# KiCad board LED_Addrs.kicad_pcb
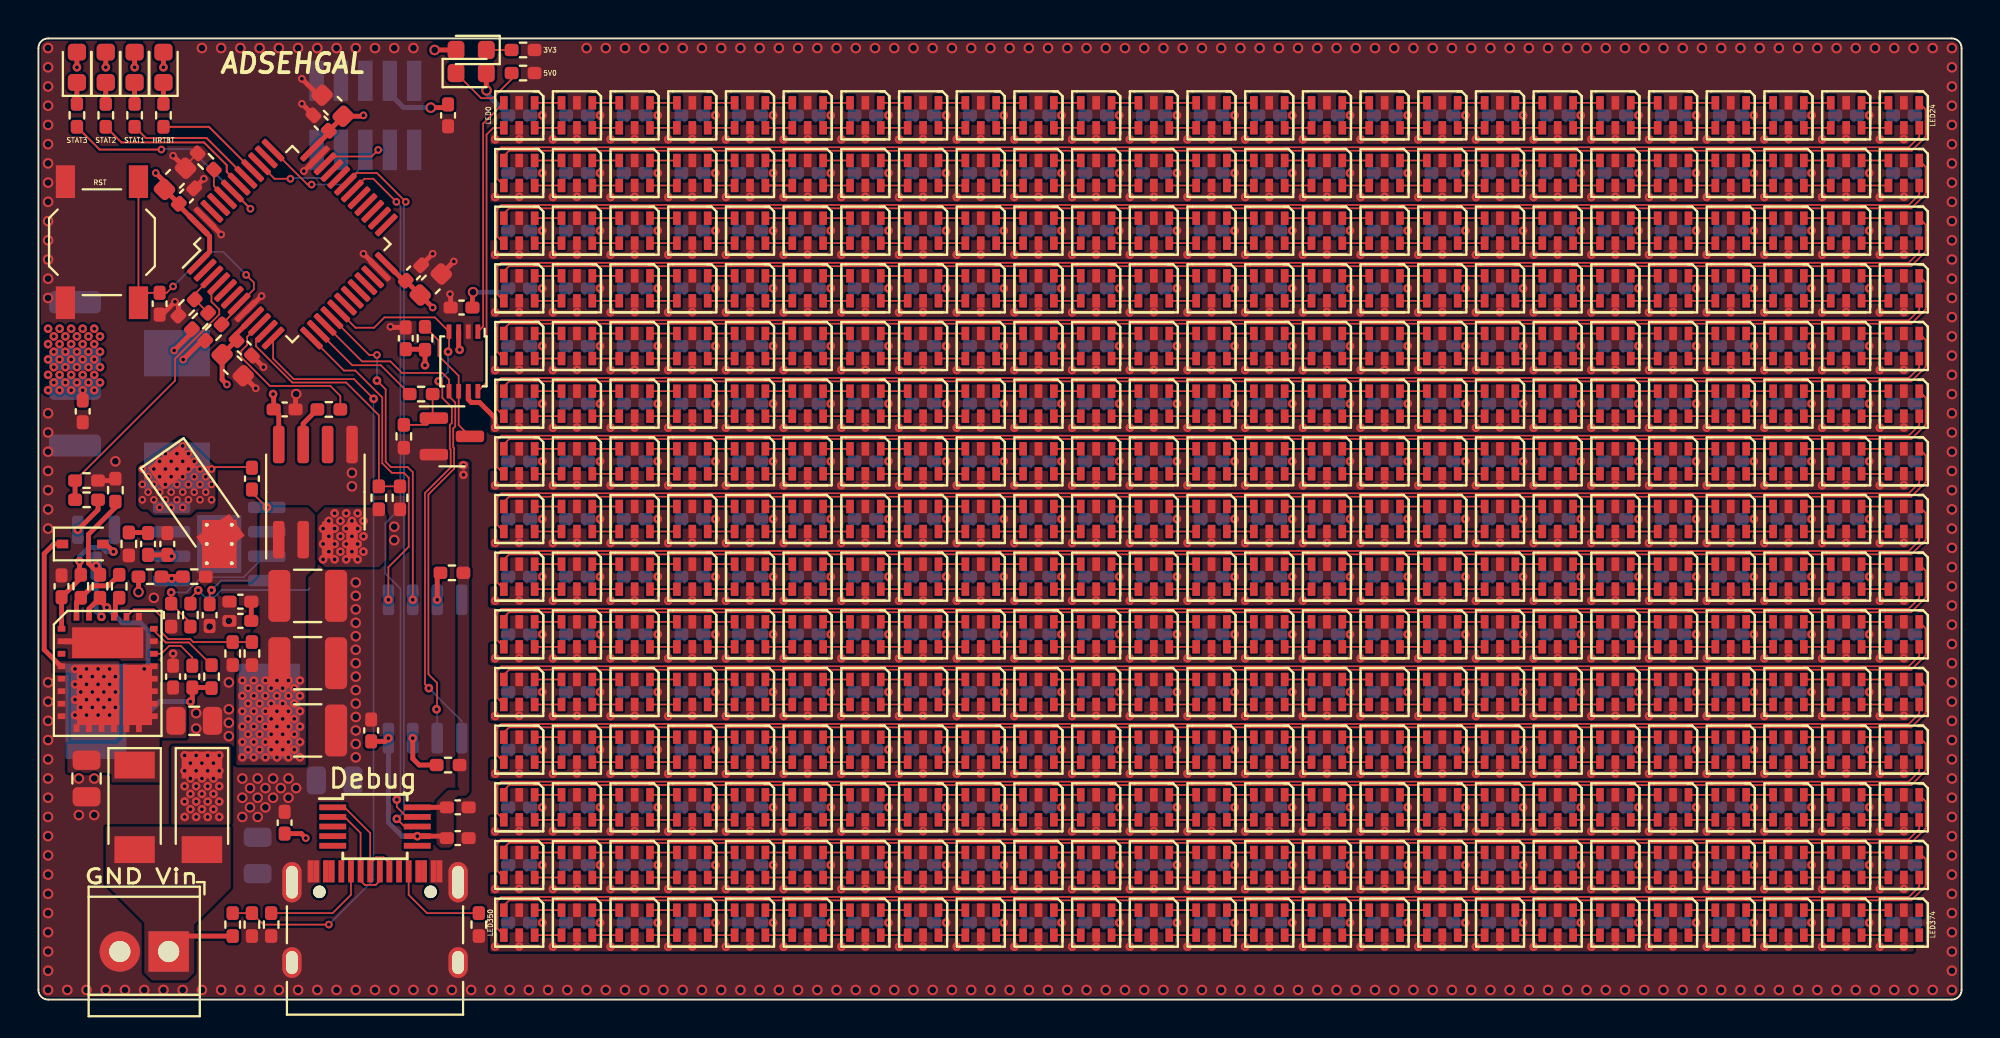
[diagram p0: board, top side]
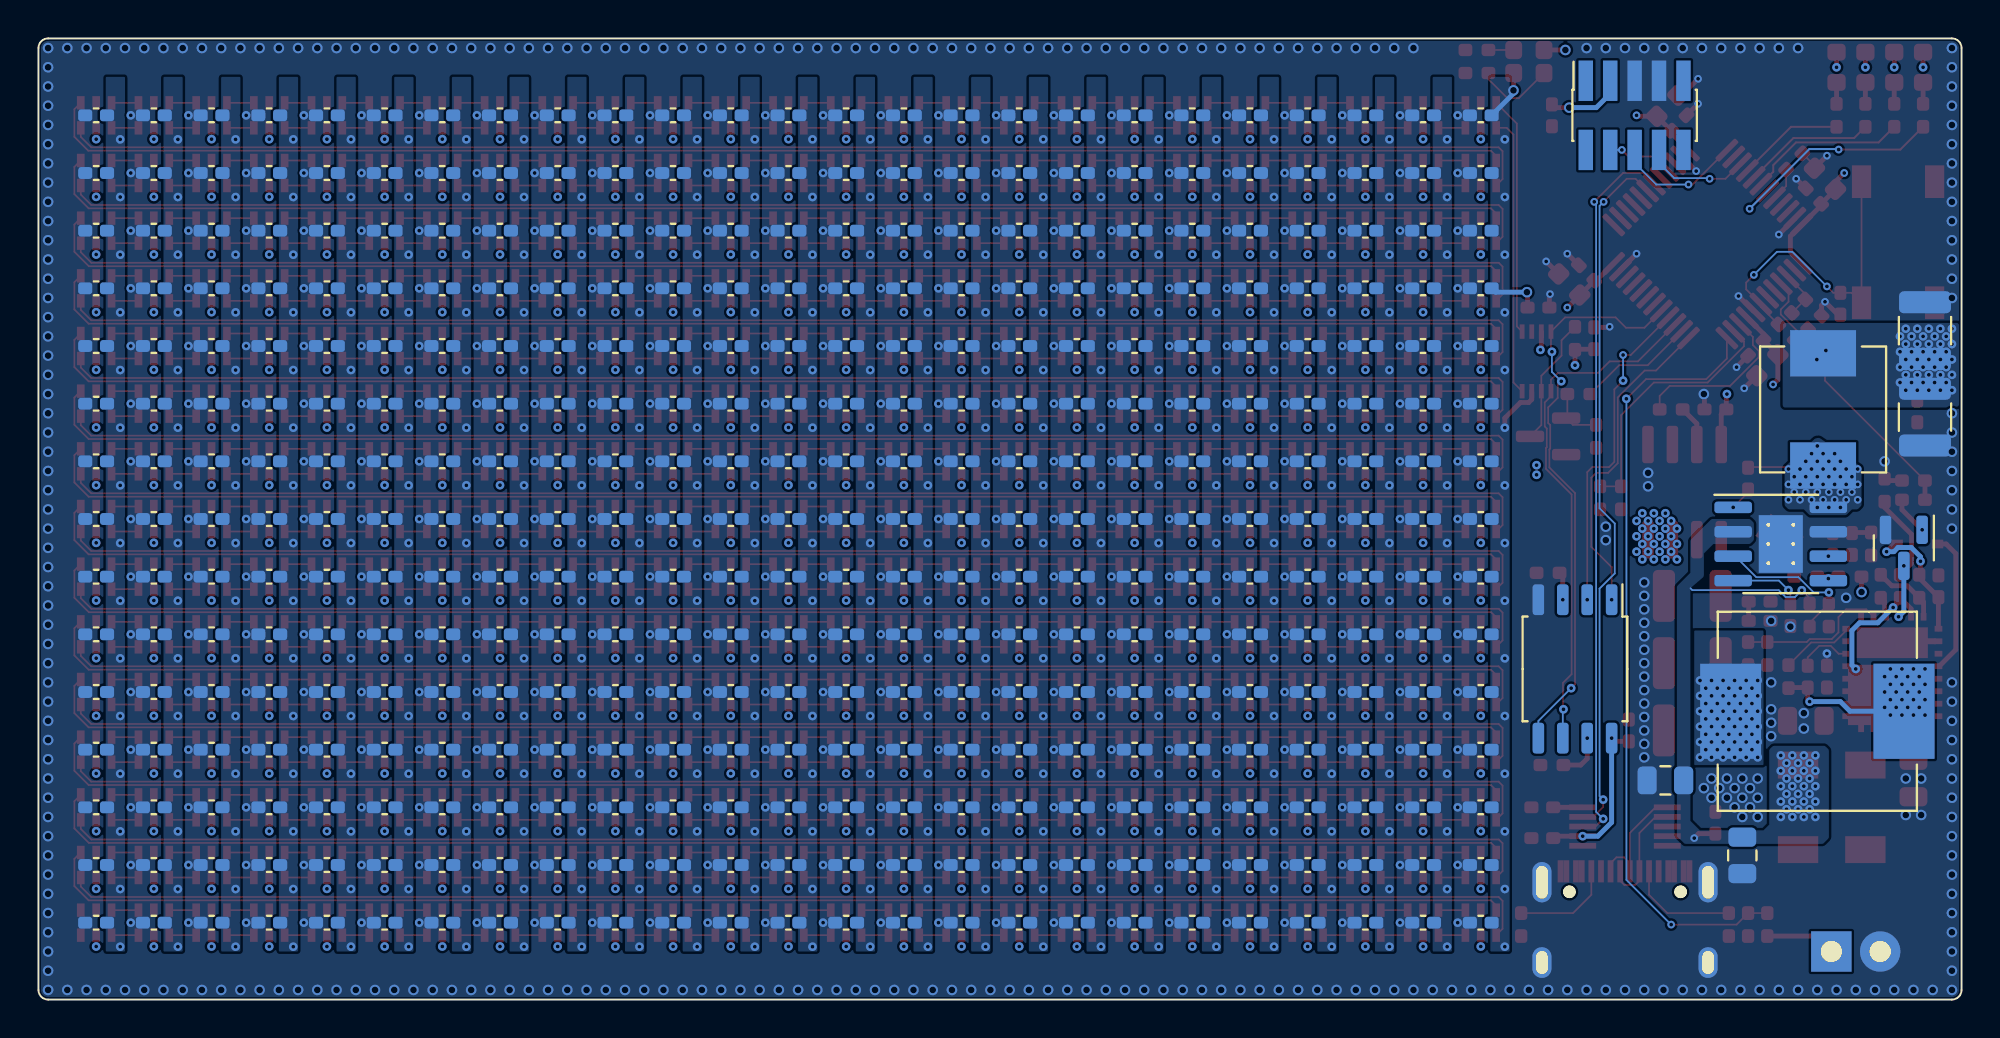
[diagram p1: board, bottom side, seen from below]

Outline 100 x 50 mm; copper layers: Top, In1.Cu, In2.Cu, Bottom. Coordinates in mm from the lower left corner of the outline.
Outline path: 0,49.5 arc(0.15,49.85) 0.5,50 99.5,50 arc(99.85,49.85) 100,49.5 100,0.5 arc(99.85,0.15) 99.5,0 0.5,0 arc(0.15,0.15) 0,0.5 0,49.5
Stack: Top 0.035mm / dielectric 0.2mm FR4 er 4.5 / In1.Cu 0.0175mm / dielectric 1.065mm FR4 er 4.5 / In2.Cu 0.0175mm / dielectric 0.2mm FR4 er 4.5 / Bottom 0.035mm

## Placement (name value [footprint] x y rotation side)
C1  100n  [C_0402_1005Metric_Pad0.74x0.62mm_HandSolder]  25 46 180 bottom
C2  100n  [C_0402_1005Metric_Pad0.74x0.62mm_HandSolder]  28 46 180 bottom
C3  100n  [C_0402_1005Metric_Pad0.74x0.62mm_HandSolder]  31 46 180 bottom
C4  100n  [C_0402_1005Metric_Pad0.74x0.62mm_HandSolder]  34 46 180 bottom
C5  100n  [C_0402_1005Metric_Pad0.74x0.62mm_HandSolder]  37 46 180 bottom
C6  100n  [C_0402_1005Metric_Pad0.74x0.62mm_HandSolder]  40 46 180 bottom
C7  100n  [C_0402_1005Metric_Pad0.74x0.62mm_HandSolder]  43 46 180 bottom
C8  100n  [C_0402_1005Metric_Pad0.74x0.62mm_HandSolder]  46 46 180 bottom
C9  100n  [C_0402_1005Metric_Pad0.74x0.62mm_HandSolder]  49 46 180 bottom
C10  100n  [C_0402_1005Metric_Pad0.74x0.62mm_HandSolder]  52 46 180 bottom
C11  100n  [C_0402_1005Metric_Pad0.74x0.62mm_HandSolder]  55 46 180 bottom
C12  100n  [C_0402_1005Metric_Pad0.74x0.62mm_HandSolder]  58 46 180 bottom
C13  100n  [C_0402_1005Metric_Pad0.74x0.62mm_HandSolder]  61 46 180 bottom
C14  100n  [C_0402_1005Metric_Pad0.74x0.62mm_HandSolder]  64 46 180 bottom
C15  100n  [C_0402_1005Metric_Pad0.74x0.62mm_HandSolder]  67 46 180 bottom
C16  100n  [C_0402_1005Metric_Pad0.74x0.62mm_HandSolder]  70 46 180 bottom
C17  100n  [C_0402_1005Metric_Pad0.74x0.62mm_HandSolder]  73 46 180 bottom
C18  100n  [C_0402_1005Metric_Pad0.74x0.62mm_HandSolder]  76 46 180 bottom
C19  100n  [C_0402_1005Metric_Pad0.74x0.62mm_HandSolder]  79 46 180 bottom
C20  100n  [C_0402_1005Metric_Pad0.74x0.62mm_HandSolder]  82 46 180 bottom
C21  100n  [C_0402_1005Metric_Pad0.74x0.62mm_HandSolder]  85 46 180 bottom
C22  100n  [C_0402_1005Metric_Pad0.74x0.62mm_HandSolder]  88 46 180 bottom
C23  100n  [C_0402_1005Metric_Pad0.74x0.62mm_HandSolder]  91 46 180 bottom
C24  100n  [C_0402_1005Metric_Pad0.74x0.62mm_HandSolder]  94 46 180 bottom
C25  100n  [C_0402_1005Metric_Pad0.74x0.62mm_HandSolder]  97 46 180 bottom
C26  100n  [C_0402_1005Metric_Pad0.74x0.62mm_HandSolder]  25 43 180 bottom
C27  100n  [C_0402_1005Metric_Pad0.74x0.62mm_HandSolder]  28 43 180 bottom
C28  100n  [C_0402_1005Metric_Pad0.74x0.62mm_HandSolder]  31 43 180 bottom
C29  100n  [C_0402_1005Metric_Pad0.74x0.62mm_HandSolder]  34 43 180 bottom
C30  100n  [C_0402_1005Metric_Pad0.74x0.62mm_HandSolder]  37 43 180 bottom
C31  100n  [C_0402_1005Metric_Pad0.74x0.62mm_HandSolder]  40 43 180 bottom
C32  100n  [C_0402_1005Metric_Pad0.74x0.62mm_HandSolder]  43 43 180 bottom
C33  100n  [C_0402_1005Metric_Pad0.74x0.62mm_HandSolder]  46 43 180 bottom
C34  100n  [C_0402_1005Metric_Pad0.74x0.62mm_HandSolder]  49 43 180 bottom
C35  100n  [C_0402_1005Metric_Pad0.74x0.62mm_HandSolder]  52 43 180 bottom
C36  100n  [C_0402_1005Metric_Pad0.74x0.62mm_HandSolder]  55 43 180 bottom
C37  100n  [C_0402_1005Metric_Pad0.74x0.62mm_HandSolder]  58 43 180 bottom
C38  100n  [C_0402_1005Metric_Pad0.74x0.62mm_HandSolder]  61 43 180 bottom
C39  100n  [C_0402_1005Metric_Pad0.74x0.62mm_HandSolder]  64 43 180 bottom
C40  100n  [C_0402_1005Metric_Pad0.74x0.62mm_HandSolder]  67 43 180 bottom
C41  100n  [C_0402_1005Metric_Pad0.74x0.62mm_HandSolder]  70 43 180 bottom
C42  100n  [C_0402_1005Metric_Pad0.74x0.62mm_HandSolder]  73 43 180 bottom
C43  100n  [C_0402_1005Metric_Pad0.74x0.62mm_HandSolder]  76 43 180 bottom
C44  100n  [C_0402_1005Metric_Pad0.74x0.62mm_HandSolder]  79 43 180 bottom
C45  100n  [C_0402_1005Metric_Pad0.74x0.62mm_HandSolder]  82 43 180 bottom
C46  100n  [C_0402_1005Metric_Pad0.74x0.62mm_HandSolder]  85 43 180 bottom
C47  100n  [C_0402_1005Metric_Pad0.74x0.62mm_HandSolder]  88 43 180 bottom
C48  100n  [C_0402_1005Metric_Pad0.74x0.62mm_HandSolder]  91 43 180 bottom
C49  100n  [C_0402_1005Metric_Pad0.74x0.62mm_HandSolder]  94 43 180 bottom
C50  100n  [C_0402_1005Metric_Pad0.74x0.62mm_HandSolder]  97 43 180 bottom
C51  100n  [C_0402_1005Metric_Pad0.74x0.62mm_HandSolder]  25 40 180 bottom
C52  100n  [C_0402_1005Metric_Pad0.74x0.62mm_HandSolder]  28 40 180 bottom
C53  100n  [C_0402_1005Metric_Pad0.74x0.62mm_HandSolder]  31 40 180 bottom
C54  100n  [C_0402_1005Metric_Pad0.74x0.62mm_HandSolder]  34 40 180 bottom
C55  100n  [C_0402_1005Metric_Pad0.74x0.62mm_HandSolder]  37 40 180 bottom
C56  100n  [C_0402_1005Metric_Pad0.74x0.62mm_HandSolder]  40 40 180 bottom
C57  100n  [C_0402_1005Metric_Pad0.74x0.62mm_HandSolder]  43 40 180 bottom
C58  100n  [C_0402_1005Metric_Pad0.74x0.62mm_HandSolder]  46 40 180 bottom
C59  100n  [C_0402_1005Metric_Pad0.74x0.62mm_HandSolder]  49 40 180 bottom
C60  100n  [C_0402_1005Metric_Pad0.74x0.62mm_HandSolder]  52 40 180 bottom
C61  100n  [C_0402_1005Metric_Pad0.74x0.62mm_HandSolder]  55 40 180 bottom
C62  100n  [C_0402_1005Metric_Pad0.74x0.62mm_HandSolder]  58 40 180 bottom
C63  100n  [C_0402_1005Metric_Pad0.74x0.62mm_HandSolder]  61 40 180 bottom
C64  100n  [C_0402_1005Metric_Pad0.74x0.62mm_HandSolder]  64 40 180 bottom
C65  100n  [C_0402_1005Metric_Pad0.74x0.62mm_HandSolder]  67 40 180 bottom
C66  100n  [C_0402_1005Metric_Pad0.74x0.62mm_HandSolder]  70 40 180 bottom
C67  100n  [C_0402_1005Metric_Pad0.74x0.62mm_HandSolder]  73 40 180 bottom
C68  100n  [C_0402_1005Metric_Pad0.74x0.62mm_HandSolder]  76 40 180 bottom
C69  100n  [C_0402_1005Metric_Pad0.74x0.62mm_HandSolder]  79 40 180 bottom
C70  100n  [C_0402_1005Metric_Pad0.74x0.62mm_HandSolder]  82 40 180 bottom
C71  100n  [C_0402_1005Metric_Pad0.74x0.62mm_HandSolder]  85 40 180 bottom
C72  100n  [C_0402_1005Metric_Pad0.74x0.62mm_HandSolder]  88 40 180 bottom
C73  100n  [C_0402_1005Metric_Pad0.74x0.62mm_HandSolder]  91 40 180 bottom
C74  100n  [C_0402_1005Metric_Pad0.74x0.62mm_HandSolder]  94 40 180 bottom
C75  100n  [C_0402_1005Metric_Pad0.74x0.62mm_HandSolder]  97 40 180 bottom
C76  100n  [C_0402_1005Metric_Pad0.74x0.62mm_HandSolder]  25 37 180 bottom
C77  100n  [C_0402_1005Metric_Pad0.74x0.62mm_HandSolder]  28 37 180 bottom
C78  100n  [C_0402_1005Metric_Pad0.74x0.62mm_HandSolder]  31 37 180 bottom
C79  100n  [C_0402_1005Metric_Pad0.74x0.62mm_HandSolder]  34 37 180 bottom
C80  100n  [C_0402_1005Metric_Pad0.74x0.62mm_HandSolder]  37 37 180 bottom
C81  100n  [C_0402_1005Metric_Pad0.74x0.62mm_HandSolder]  40 37 180 bottom
C82  100n  [C_0402_1005Metric_Pad0.74x0.62mm_HandSolder]  43 37 180 bottom
C83  100n  [C_0402_1005Metric_Pad0.74x0.62mm_HandSolder]  46 37 180 bottom
C84  100n  [C_0402_1005Metric_Pad0.74x0.62mm_HandSolder]  49 37 180 bottom
C85  100n  [C_0402_1005Metric_Pad0.74x0.62mm_HandSolder]  52 37 180 bottom
C86  100n  [C_0402_1005Metric_Pad0.74x0.62mm_HandSolder]  55 37 180 bottom
C87  100n  [C_0402_1005Metric_Pad0.74x0.62mm_HandSolder]  58 37 180 bottom
C88  100n  [C_0402_1005Metric_Pad0.74x0.62mm_HandSolder]  61 37 180 bottom
C89  100n  [C_0402_1005Metric_Pad0.74x0.62mm_HandSolder]  64 37 180 bottom
C90  100n  [C_0402_1005Metric_Pad0.74x0.62mm_HandSolder]  67 37 180 bottom
C91  100n  [C_0402_1005Metric_Pad0.74x0.62mm_HandSolder]  70 37 180 bottom
C92  100n  [C_0402_1005Metric_Pad0.74x0.62mm_HandSolder]  73 37 180 bottom
C93  100n  [C_0402_1005Metric_Pad0.74x0.62mm_HandSolder]  76 37 180 bottom
C94  100n  [C_0402_1005Metric_Pad0.74x0.62mm_HandSolder]  79 37 180 bottom
C95  100n  [C_0402_1005Metric_Pad0.74x0.62mm_HandSolder]  82 37 180 bottom
C96  100n  [C_0402_1005Metric_Pad0.74x0.62mm_HandSolder]  85 37 180 bottom
C97  100n  [C_0402_1005Metric_Pad0.74x0.62mm_HandSolder]  88 37 180 bottom
C98  100n  [C_0402_1005Metric_Pad0.74x0.62mm_HandSolder]  91 37 180 bottom
C99  100n  [C_0402_1005Metric_Pad0.74x0.62mm_HandSolder]  94 37 180 bottom
C100  100n  [C_0402_1005Metric_Pad0.74x0.62mm_HandSolder]  97 37 180 bottom
C101  100n  [C_0402_1005Metric_Pad0.74x0.62mm_HandSolder]  25 34 180 bottom
C102  100n  [C_0402_1005Metric_Pad0.74x0.62mm_HandSolder]  28 34 180 bottom
C103  100n  [C_0402_1005Metric_Pad0.74x0.62mm_HandSolder]  31 34 180 bottom
C104  100n  [C_0402_1005Metric_Pad0.74x0.62mm_HandSolder]  34 34 180 bottom
C105  100n  [C_0402_1005Metric_Pad0.74x0.62mm_HandSolder]  37 34 180 bottom
C106  100n  [C_0402_1005Metric_Pad0.74x0.62mm_HandSolder]  40 34 180 bottom
C107  100n  [C_0402_1005Metric_Pad0.74x0.62mm_HandSolder]  43 34 180 bottom
C108  100n  [C_0402_1005Metric_Pad0.74x0.62mm_HandSolder]  46 34 180 bottom
C109  100n  [C_0402_1005Metric_Pad0.74x0.62mm_HandSolder]  49 34 180 bottom
C110  100n  [C_0402_1005Metric_Pad0.74x0.62mm_HandSolder]  52 34 180 bottom
C111  100n  [C_0402_1005Metric_Pad0.74x0.62mm_HandSolder]  55 34 180 bottom
C112  100n  [C_0402_1005Metric_Pad0.74x0.62mm_HandSolder]  58 34 180 bottom
C113  100n  [C_0402_1005Metric_Pad0.74x0.62mm_HandSolder]  61 34 180 bottom
C114  100n  [C_0402_1005Metric_Pad0.74x0.62mm_HandSolder]  64 34 180 bottom
C115  100n  [C_0402_1005Metric_Pad0.74x0.62mm_HandSolder]  67 34 180 bottom
C116  100n  [C_0402_1005Metric_Pad0.74x0.62mm_HandSolder]  70 34 180 bottom
C117  100n  [C_0402_1005Metric_Pad0.74x0.62mm_HandSolder]  73 34 180 bottom
C118  100n  [C_0402_1005Metric_Pad0.74x0.62mm_HandSolder]  76 34 180 bottom
C119  100n  [C_0402_1005Metric_Pad0.74x0.62mm_HandSolder]  79 34 180 bottom
C120  100n  [C_0402_1005Metric_Pad0.74x0.62mm_HandSolder]  82 34 180 bottom
C121  100n  [C_0402_1005Metric_Pad0.74x0.62mm_HandSolder]  85 34 180 bottom
C122  100n  [C_0402_1005Metric_Pad0.74x0.62mm_HandSolder]  88 34 180 bottom
C123  100n  [C_0402_1005Metric_Pad0.74x0.62mm_HandSolder]  91 34 180 bottom
C124  100n  [C_0402_1005Metric_Pad0.74x0.62mm_HandSolder]  94 34 180 bottom
C125  100n  [C_0402_1005Metric_Pad0.74x0.62mm_HandSolder]  97 34 180 bottom
C126  100n  [C_0402_1005Metric_Pad0.74x0.62mm_HandSolder]  25 31 180 bottom
C127  100n  [C_0402_1005Metric_Pad0.74x0.62mm_HandSolder]  28 31 180 bottom
C128  100n  [C_0402_1005Metric_Pad0.74x0.62mm_HandSolder]  31 31 180 bottom
C129  100n  [C_0402_1005Metric_Pad0.74x0.62mm_HandSolder]  34 31 180 bottom
C130  100n  [C_0402_1005Metric_Pad0.74x0.62mm_HandSolder]  37 31 180 bottom
C131  100n  [C_0402_1005Metric_Pad0.74x0.62mm_HandSolder]  40 31 180 bottom
C132  100n  [C_0402_1005Metric_Pad0.74x0.62mm_HandSolder]  43 31 180 bottom
C133  100n  [C_0402_1005Metric_Pad0.74x0.62mm_HandSolder]  46 31 180 bottom
C134  100n  [C_0402_1005Metric_Pad0.74x0.62mm_HandSolder]  49 31 180 bottom
C135  100n  [C_0402_1005Metric_Pad0.74x0.62mm_HandSolder]  52 31 180 bottom
C136  100n  [C_0402_1005Metric_Pad0.74x0.62mm_HandSolder]  55 31 180 bottom
C137  100n  [C_0402_1005Metric_Pad0.74x0.62mm_HandSolder]  58 31 180 bottom
C138  100n  [C_0402_1005Metric_Pad0.74x0.62mm_HandSolder]  61 31 180 bottom
C139  100n  [C_0402_1005Metric_Pad0.74x0.62mm_HandSolder]  64 31 180 bottom
C140  100n  [C_0402_1005Metric_Pad0.74x0.62mm_HandSolder]  67 31 180 bottom
C141  100n  [C_0402_1005Metric_Pad0.74x0.62mm_HandSolder]  70 31 180 bottom
C142  100n  [C_0402_1005Metric_Pad0.74x0.62mm_HandSolder]  73 31 180 bottom
C143  100n  [C_0402_1005Metric_Pad0.74x0.62mm_HandSolder]  76 31 180 bottom
C144  100n  [C_0402_1005Metric_Pad0.74x0.62mm_HandSolder]  79 31 180 bottom
C145  100n  [C_0402_1005Metric_Pad0.74x0.62mm_HandSolder]  82 31 180 bottom
C146  100n  [C_0402_1005Metric_Pad0.74x0.62mm_HandSolder]  85 31 180 bottom
C147  100n  [C_0402_1005Metric_Pad0.74x0.62mm_HandSolder]  88 31 180 bottom
C148  100n  [C_0402_1005Metric_Pad0.74x0.62mm_HandSolder]  91 31 180 bottom
C149  100n  [C_0402_1005Metric_Pad0.74x0.62mm_HandSolder]  94 31 180 bottom
C150  100n  [C_0402_1005Metric_Pad0.74x0.62mm_HandSolder]  97 31 180 bottom
C151  100n  [C_0402_1005Metric_Pad0.74x0.62mm_HandSolder]  25 28 180 bottom
C152  100n  [C_0402_1005Metric_Pad0.74x0.62mm_HandSolder]  28 28 180 bottom
C153  100n  [C_0402_1005Metric_Pad0.74x0.62mm_HandSolder]  31 28 180 bottom
C154  100n  [C_0402_1005Metric_Pad0.74x0.62mm_HandSolder]  34 28 180 bottom
C155  100n  [C_0402_1005Metric_Pad0.74x0.62mm_HandSolder]  37 28 180 bottom
C156  100n  [C_0402_1005Metric_Pad0.74x0.62mm_HandSolder]  40 28 180 bottom
C157  100n  [C_0402_1005Metric_Pad0.74x0.62mm_HandSolder]  43 28 180 bottom
C158  100n  [C_0402_1005Metric_Pad0.74x0.62mm_HandSolder]  46 28 180 bottom
C159  100n  [C_0402_1005Metric_Pad0.74x0.62mm_HandSolder]  49 28 180 bottom
C160  100n  [C_0402_1005Metric_Pad0.74x0.62mm_HandSolder]  52 28 180 bottom
C161  100n  [C_0402_1005Metric_Pad0.74x0.62mm_HandSolder]  55 28 180 bottom
C162  100n  [C_0402_1005Metric_Pad0.74x0.62mm_HandSolder]  58 28 180 bottom
C163  100n  [C_0402_1005Metric_Pad0.74x0.62mm_HandSolder]  61 28 180 bottom
C164  100n  [C_0402_1005Metric_Pad0.74x0.62mm_HandSolder]  64 28 180 bottom
C165  100n  [C_0402_1005Metric_Pad0.74x0.62mm_HandSolder]  67 28 180 bottom
C166  100n  [C_0402_1005Metric_Pad0.74x0.62mm_HandSolder]  70 28 180 bottom
C167  100n  [C_0402_1005Metric_Pad0.74x0.62mm_HandSolder]  73 28 180 bottom
C168  100n  [C_0402_1005Metric_Pad0.74x0.62mm_HandSolder]  76 28 180 bottom
C169  100n  [C_0402_1005Metric_Pad0.74x0.62mm_HandSolder]  79 28 180 bottom
C170  100n  [C_0402_1005Metric_Pad0.74x0.62mm_HandSolder]  82 28 180 bottom
C171  100n  [C_0402_1005Metric_Pad0.74x0.62mm_HandSolder]  85 28 180 bottom
C172  100n  [C_0402_1005Metric_Pad0.74x0.62mm_HandSolder]  88 28 180 bottom
C173  100n  [C_0402_1005Metric_Pad0.74x0.62mm_HandSolder]  91 28 180 bottom
C174  100n  [C_0402_1005Metric_Pad0.74x0.62mm_HandSolder]  94 28 180 bottom
C175  100n  [C_0402_1005Metric_Pad0.74x0.62mm_HandSolder]  97 28 180 bottom
C176  100n  [C_0402_1005Metric_Pad0.74x0.62mm_HandSolder]  25 25 180 bottom
C177  100n  [C_0402_1005Metric_Pad0.74x0.62mm_HandSolder]  28 25 180 bottom
C178  100n  [C_0402_1005Metric_Pad0.74x0.62mm_HandSolder]  31 25 180 bottom
C179  100n  [C_0402_1005Metric_Pad0.74x0.62mm_HandSolder]  34 25 180 bottom
C180  100n  [C_0402_1005Metric_Pad0.74x0.62mm_HandSolder]  37 25 180 bottom
C181  100n  [C_0402_1005Metric_Pad0.74x0.62mm_HandSolder]  40 25 180 bottom
C182  100n  [C_0402_1005Metric_Pad0.74x0.62mm_HandSolder]  43 25 180 bottom
C183  100n  [C_0402_1005Metric_Pad0.74x0.62mm_HandSolder]  46 25 180 bottom
C184  100n  [C_0402_1005Metric_Pad0.74x0.62mm_HandSolder]  49 25 180 bottom
C185  100n  [C_0402_1005Metric_Pad0.74x0.62mm_HandSolder]  52 25 180 bottom
C186  100n  [C_0402_1005Metric_Pad0.74x0.62mm_HandSolder]  55 25 180 bottom
C187  100n  [C_0402_1005Metric_Pad0.74x0.62mm_HandSolder]  58 25 180 bottom
C188  100n  [C_0402_1005Metric_Pad0.74x0.62mm_HandSolder]  61 25 180 bottom
C189  100n  [C_0402_1005Metric_Pad0.74x0.62mm_HandSolder]  64 25 180 bottom
C190  100n  [C_0402_1005Metric_Pad0.74x0.62mm_HandSolder]  67 25 180 bottom
C191  100n  [C_0402_1005Metric_Pad0.74x0.62mm_HandSolder]  70 25 180 bottom
C192  100n  [C_0402_1005Metric_Pad0.74x0.62mm_HandSolder]  73 25 180 bottom
C193  100n  [C_0402_1005Metric_Pad0.74x0.62mm_HandSolder]  76 25 180 bottom
C194  100n  [C_0402_1005Metric_Pad0.74x0.62mm_HandSolder]  79 25 180 bottom
C195  100n  [C_0402_1005Metric_Pad0.74x0.62mm_HandSolder]  82 25 180 bottom
C196  100n  [C_0402_1005Metric_Pad0.74x0.62mm_HandSolder]  85 25 180 bottom
C197  100n  [C_0402_1005Metric_Pad0.74x0.62mm_HandSolder]  88 25 180 bottom
C198  100n  [C_0402_1005Metric_Pad0.74x0.62mm_HandSolder]  91 25 180 bottom
C199  100n  [C_0402_1005Metric_Pad0.74x0.62mm_HandSolder]  94 25 180 bottom
C200  100n  [C_0402_1005Metric_Pad0.74x0.62mm_HandSolder]  97 25 180 bottom
C201  100n  [C_0402_1005Metric_Pad0.74x0.62mm_HandSolder]  25 22 180 bottom
C202  100n  [C_0402_1005Metric_Pad0.74x0.62mm_HandSolder]  28 22 180 bottom
C203  100n  [C_0402_1005Metric_Pad0.74x0.62mm_HandSolder]  31 22 180 bottom
C204  100n  [C_0402_1005Metric_Pad0.74x0.62mm_HandSolder]  34 22 180 bottom
C205  100n  [C_0402_1005Metric_Pad0.74x0.62mm_HandSolder]  37 22 180 bottom
C206  100n  [C_0402_1005Metric_Pad0.74x0.62mm_HandSolder]  40 22 180 bottom
C207  100n  [C_0402_1005Metric_Pad0.74x0.62mm_HandSolder]  43 22 180 bottom
C208  100n  [C_0402_1005Metric_Pad0.74x0.62mm_HandSolder]  46 22 180 bottom
C209  100n  [C_0402_1005Metric_Pad0.74x0.62mm_HandSolder]  49 22 180 bottom
C210  100n  [C_0402_1005Metric_Pad0.74x0.62mm_HandSolder]  52 22 180 bottom
C211  100n  [C_0402_1005Metric_Pad0.74x0.62mm_HandSolder]  55 22 180 bottom
C212  100n  [C_0402_1005Metric_Pad0.74x0.62mm_HandSolder]  58 22 180 bottom
C213  100n  [C_0402_1005Metric_Pad0.74x0.62mm_HandSolder]  61 22 180 bottom
C214  100n  [C_0402_1005Metric_Pad0.74x0.62mm_HandSolder]  64 22 180 bottom
C215  100n  [C_0402_1005Metric_Pad0.74x0.62mm_HandSolder]  67 22 180 bottom
C216  100n  [C_0402_1005Metric_Pad0.74x0.62mm_HandSolder]  70 22 180 bottom
C217  100n  [C_0402_1005Metric_Pad0.74x0.62mm_HandSolder]  73 22 180 bottom
C218  100n  [C_0402_1005Metric_Pad0.74x0.62mm_HandSolder]  76 22 180 bottom
C219  100n  [C_0402_1005Metric_Pad0.74x0.62mm_HandSolder]  79 22 180 bottom
C220  100n  [C_0402_1005Metric_Pad0.74x0.62mm_HandSolder]  82 22 180 bottom
C221  100n  [C_0402_1005Metric_Pad0.74x0.62mm_HandSolder]  85 22 180 bottom
C222  100n  [C_0402_1005Metric_Pad0.74x0.62mm_HandSolder]  88 22 180 bottom
C223  100n  [C_0402_1005Metric_Pad0.74x0.62mm_HandSolder]  91 22 180 bottom
C224  100n  [C_0402_1005Metric_Pad0.74x0.62mm_HandSolder]  94 22 180 bottom
C225  100n  [C_0402_1005Metric_Pad0.74x0.62mm_HandSolder]  97 22 180 bottom
C226  100n  [C_0402_1005Metric_Pad0.74x0.62mm_HandSolder]  25 19 180 bottom
C227  100n  [C_0402_1005Metric_Pad0.74x0.62mm_HandSolder]  28 19 180 bottom
C228  100n  [C_0402_1005Metric_Pad0.74x0.62mm_HandSolder]  31 19 180 bottom
C229  100n  [C_0402_1005Metric_Pad0.74x0.62mm_HandSolder]  34 19 180 bottom
C230  100n  [C_0402_1005Metric_Pad0.74x0.62mm_HandSolder]  37 19 180 bottom
C231  100n  [C_0402_1005Metric_Pad0.74x0.62mm_HandSolder]  40 19 180 bottom
C232  100n  [C_0402_1005Metric_Pad0.74x0.62mm_HandSolder]  43 19 180 bottom
C233  100n  [C_0402_1005Metric_Pad0.74x0.62mm_HandSolder]  46 19 180 bottom
C234  100n  [C_0402_1005Metric_Pad0.74x0.62mm_HandSolder]  49 19 180 bottom
C235  100n  [C_0402_1005Metric_Pad0.74x0.62mm_HandSolder]  52 19 180 bottom
C236  100n  [C_0402_1005Metric_Pad0.74x0.62mm_HandSolder]  55 19 180 bottom
C237  100n  [C_0402_1005Metric_Pad0.74x0.62mm_HandSolder]  58 19 180 bottom
C238  100n  [C_0402_1005Metric_Pad0.74x0.62mm_HandSolder]  61 19 180 bottom
C239  100n  [C_0402_1005Metric_Pad0.74x0.62mm_HandSolder]  64 19 180 bottom
C240  100n  [C_0402_1005Metric_Pad0.74x0.62mm_HandSolder]  67 19 180 bottom
C241  100n  [C_0402_1005Metric_Pad0.74x0.62mm_HandSolder]  70 19 180 bottom
C242  100n  [C_0402_1005Metric_Pad0.74x0.62mm_HandSolder]  73 19 180 bottom
C243  100n  [C_0402_1005Metric_Pad0.74x0.62mm_HandSolder]  76 19 180 bottom
C244  100n  [C_0402_1005Metric_Pad0.74x0.62mm_HandSolder]  79 19 180 bottom
C245  100n  [C_0402_1005Metric_Pad0.74x0.62mm_HandSolder]  82 19 180 bottom
C246  100n  [C_0402_1005Metric_Pad0.74x0.62mm_HandSolder]  85 19 180 bottom
C247  100n  [C_0402_1005Metric_Pad0.74x0.62mm_HandSolder]  88 19 180 bottom
C248  100n  [C_0402_1005Metric_Pad0.74x0.62mm_HandSolder]  91 19 180 bottom
C249  100n  [C_0402_1005Metric_Pad0.74x0.62mm_HandSolder]  94 19 180 bottom
C250  100n  [C_0402_1005Metric_Pad0.74x0.62mm_HandSolder]  97 19 180 bottom
C251  100n  [C_0402_1005Metric_Pad0.74x0.62mm_HandSolder]  25 16 180 bottom
C252  100n  [C_0402_1005Metric_Pad0.74x0.62mm_HandSolder]  28 16 180 bottom
C253  100n  [C_0402_1005Metric_Pad0.74x0.62mm_HandSolder]  31 16 180 bottom
C254  100n  [C_0402_1005Metric_Pad0.74x0.62mm_HandSolder]  34 16 180 bottom
C255  100n  [C_0402_1005Metric_Pad0.74x0.62mm_HandSolder]  37 16 180 bottom
C256  100n  [C_0402_1005Metric_Pad0.74x0.62mm_HandSolder]  40 16 180 bottom
C257  100n  [C_0402_1005Metric_Pad0.74x0.62mm_HandSolder]  43 16 180 bottom
C258  100n  [C_0402_1005Metric_Pad0.74x0.62mm_HandSolder]  46 16 180 bottom
C259  100n  [C_0402_1005Metric_Pad0.74x0.62mm_HandSolder]  49 16 180 bottom
C260  100n  [C_0402_1005Metric_Pad0.74x0.62mm_HandSolder]  52 16 180 bottom
C261  100n  [C_0402_1005Metric_Pad0.74x0.62mm_HandSolder]  55 16 180 bottom
C262  100n  [C_0402_1005Metric_Pad0.74x0.62mm_HandSolder]  58 16 180 bottom
C263  100n  [C_0402_1005Metric_Pad0.74x0.62mm_HandSolder]  61 16 180 bottom
C264  100n  [C_0402_1005Metric_Pad0.74x0.62mm_HandSolder]  64 16 180 bottom
C265  100n  [C_0402_1005Metric_Pad0.74x0.62mm_HandSolder]  67 16 180 bottom